# KiCad board Bestellung Rev.1.kicad_pcb (continued)
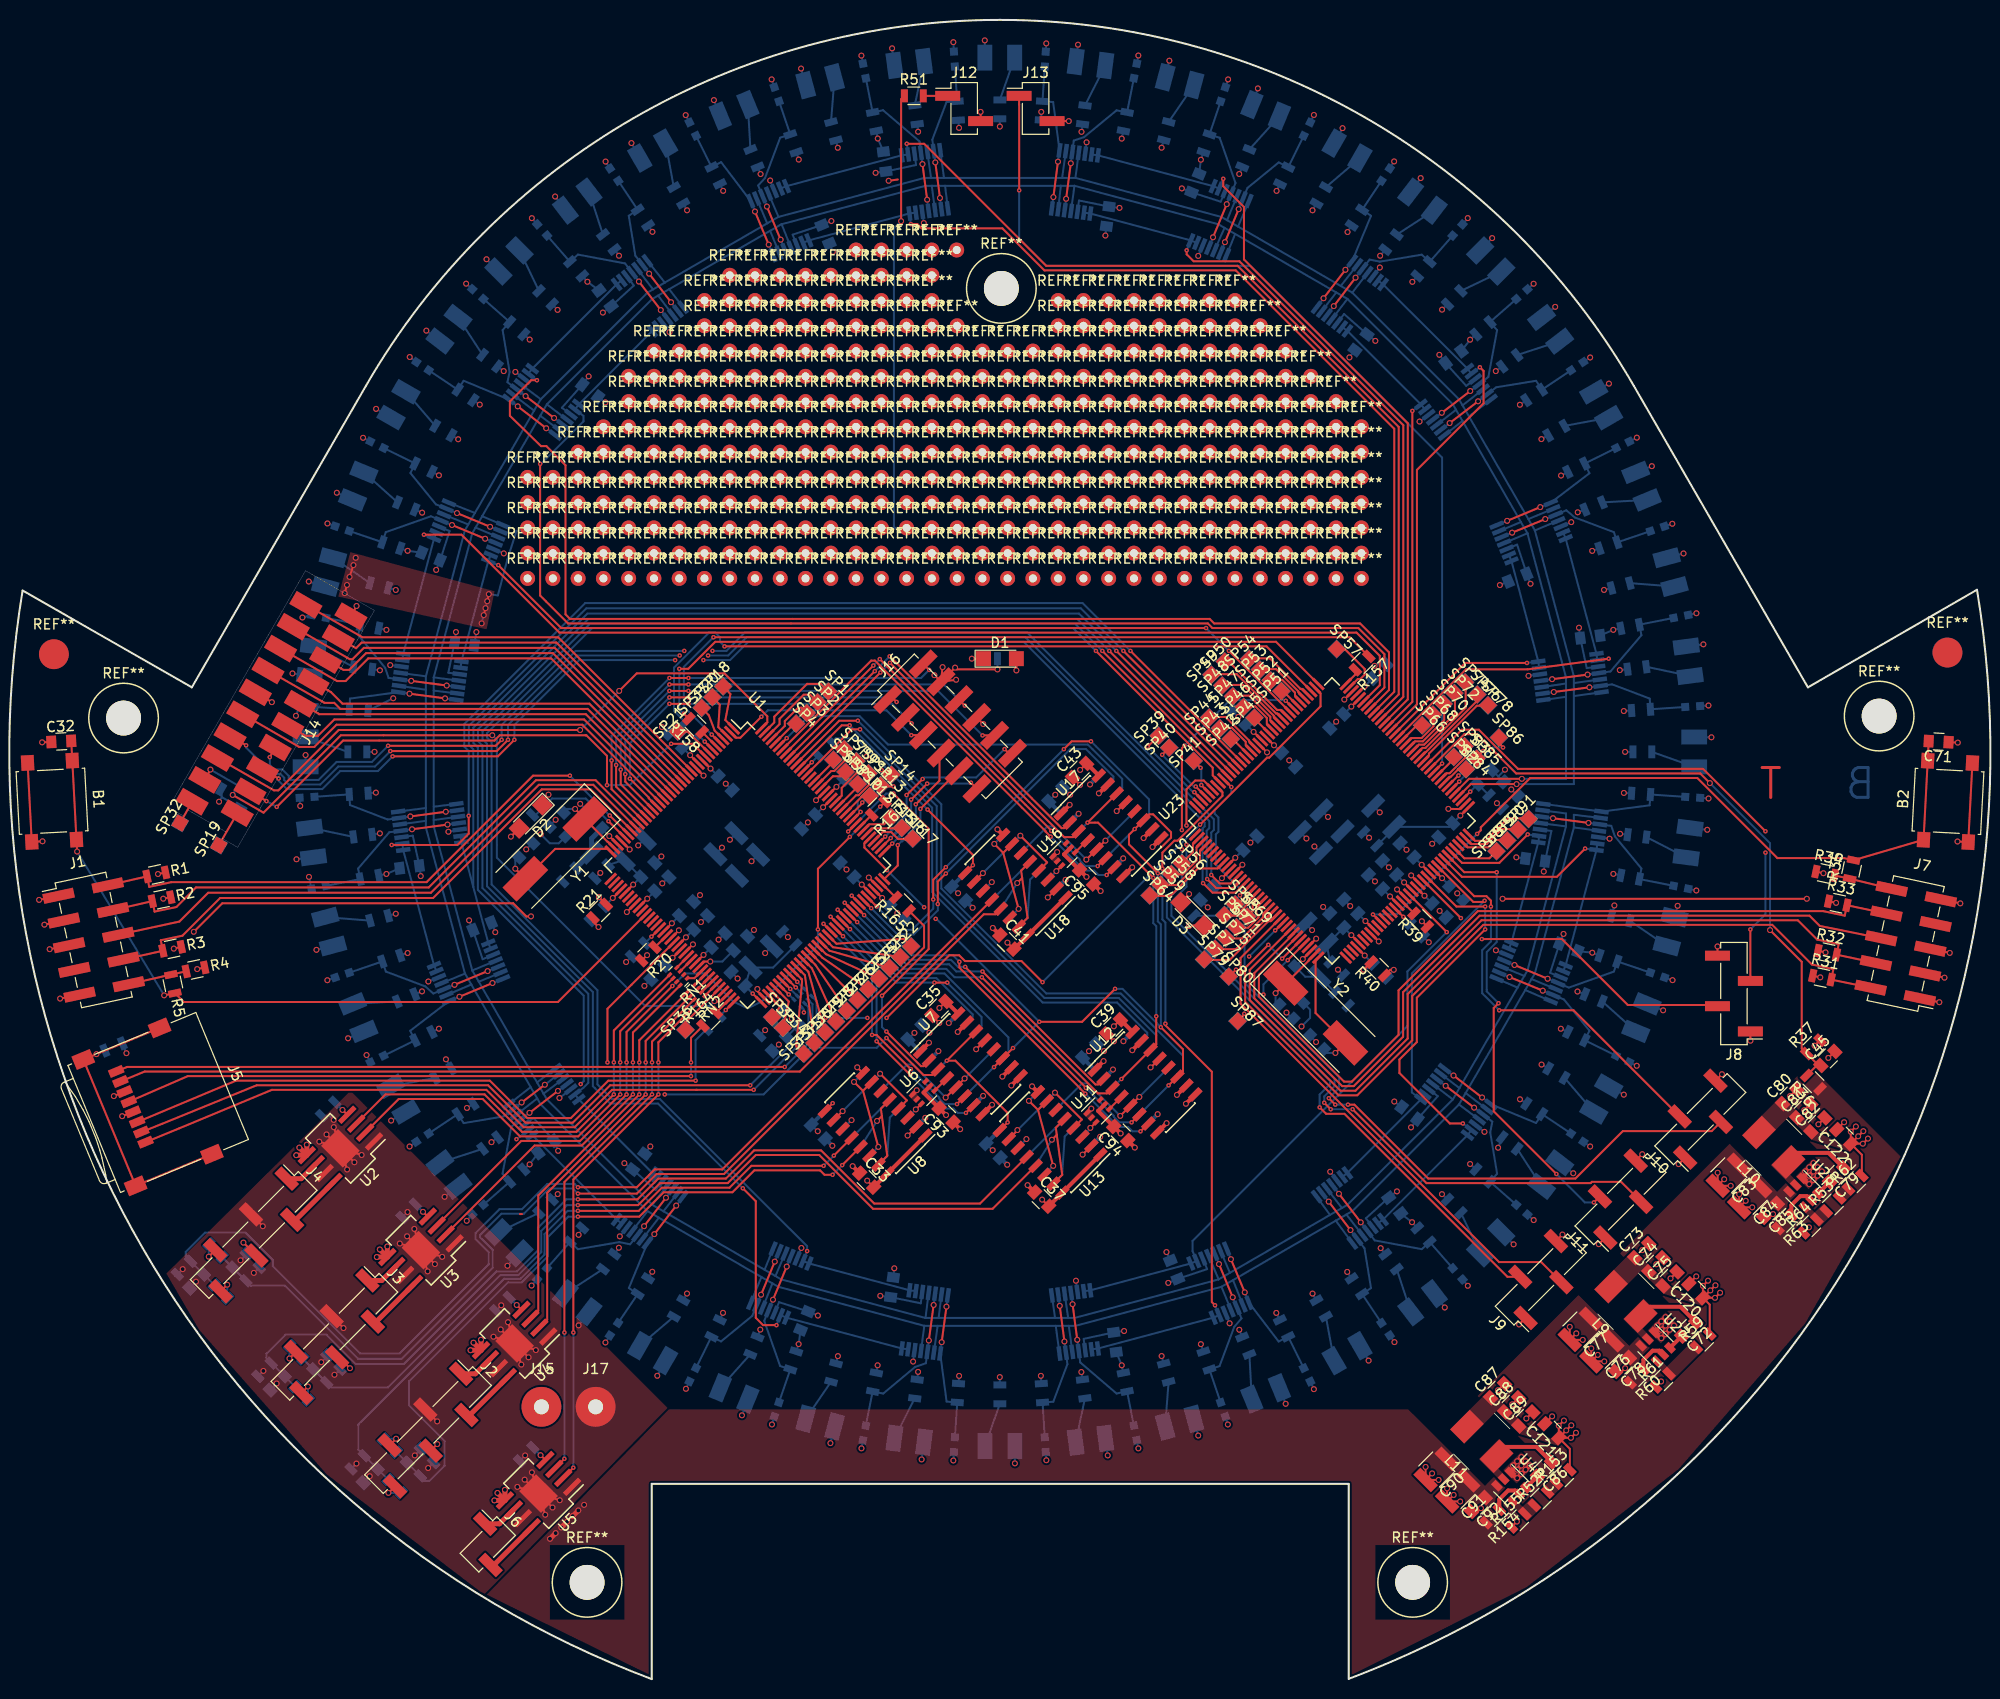
[diagram p0: board, top side]
## Placement (name value [footprint] x y rotation side) (continued)
SP64  solder_pad  [WirePad_SMD 1,27x1,27mm]  114.64 78.8 315 top
SP65  solder_pad  [WirePad_SMD 1,27x1,27mm]  123.23 77.9 315 top
SP66  solder_pad  [WirePad_SMD 1,27x1,27mm]  142.04 95.9 315 top
SP67  solder_pad  [WirePad_SMD 1,27x1,27mm]  122.15 76.82 315 top
SP68  solder_pad  [WirePad_SMD 1,27x1,27mm]  143.12 96.98 315 top
SP69  solder_pad  [WirePad_SMD 1,27x1,27mm]  124.45 76.68 315 top
SP70  solder_pad  [WirePad_SMD 1,27x1,27mm]  144.2 98.06 315 top
SP71  solder_pad  [WirePad_SMD 1,27x1,27mm]  123.37 75.6 315 top
SP72  solder_pad  [WirePad_SMD 1,27x1,27mm]  145.28 99.14 315 top
SP74  solder_pad  [WirePad_SMD 1,27x1,27mm]  146.36 100.22 315 top
SP75  solder_pad  [WirePad_SMD 1,27x1,27mm]  122.29 74.52 315 top
SP76  solder_pad  [WirePad_SMD 1,27x1,27mm]  147.58 99 315 top
SP77  solder_pad  [WirePad_SMD 1,27x1,27mm]  121.21 73.44 315 top
SP78  solder_pad  [WirePad_SMD 1,27x1,27mm]  148.66 97.92 315 top
SP79  solder_pad  [WirePad_SMD 1,27x1,27mm]  120.13 72.36 315 top
SP80  solder_pad  [WirePad_SMD 1,27x1,27mm]  122.6 70.64 315 top
SP82  solder_pad  [WirePad_SMD 1,27x1,27mm]  145.22 92.72 315 top
SP83  solder_pad  [WirePad_SMD 1,27x1,27mm]  146.3 93.8 315 top
SP84  solder_pad  [WirePad_SMD 1,27x1,27mm]  146.44 91.5 315 top
SP85  solder_pad  [WirePad_SMD 1,27x1,27mm]  147.52 92.58 315 top
SP86  solder_pad  [WirePad_SMD 1,27x1,27mm]  149.75 94.67 315 top
SP87  solder_pad  [WirePad_SMD 1,27x1,27mm]  123.49 66.16 315 top
SP88  solder_pad  [WirePad_SMD 1,27x1,27mm]  149.51 83.25 45 top
SP89  solder_pad  [WirePad_SMD 1,27x1,27mm]  150.59 84.33 45 top
SP90  solder_pad  [WirePad_SMD 1,27x1,27mm]  151.67 85.41 45 top
SP91  solder_pad  [WirePad_SMD 1,27x1,27mm]  152.75 86.49 45 top
U1  SAM3X8E  [LQFP-144_20x20mm_Pitch0.5mm]  74.21 81.83 315 top
U2  DRV8871  [HSOP_8-Pin_+_PowerPad]  33.29 53.37 225 top
U3  DRV8871  [HSOP_8-Pin_+_PowerPad]  41.38 43.13 225 top
U4  DRV8871  [HSOP_8-Pin_+_PowerPad]  50.8 33.75 225 top
U5  DRV8871  [HSOP_8-Pin_+_PowerPad]  53.2 18.65 225 top
U6  74HC2G04  [SOT-363_SC-70-6]  91.91 58.97 45 top
U7  CD74HC191  [SOIC-16_3.9x9.9mm_Pitch1.27mm]  96.62 61.86 45 top
U8  CD74HC175  [SOIC-16_3.9x9.9mm_Pitch1.27mm]  87.04 55.89 225 top
U9  CD74HC86  [SOIC-14_3.9x8.7mm_Pitch1.27mm]  86.59 56.33 225 bottom
U10  CD74HC191  [SOIC-16_3.9x9.9mm_Pitch1.27mm]  96.62 61.86 225 bottom
U11  74HC2G04  [SOT-363_SC-70-6]  109.46 57.13 45 top
U12  CD74HC191  [SOIC-16_3.9x9.9mm_Pitch1.27mm]  114.17 60.02 45 top
U13  CD74HC175  [SOIC-16_3.9x9.9mm_Pitch1.27mm]  104.63 53.97 225 top
U14  CD74HC86  [SOIC-14_3.9x8.7mm_Pitch1.27mm]  104.17 54.43 225 bottom
U15  CD74HC191  [SOIC-16_3.9x9.9mm_Pitch1.27mm]  114.17 60.02 225 bottom
U16  74HC2G04  [SOT-363_SC-70-6]  106.03 82.92 45 top
U17  CD74HC191  [SOIC-16_3.9x9.9mm_Pitch1.27mm]  110.76 85.79 45 top
U18  CD74HC175  [SOIC-16_3.9x9.9mm_Pitch1.27mm]  101.14 79.82 225 top
U19  CD74HC86  [SOIC-14_3.9x8.7mm_Pitch1.27mm]  100.7 80.26 225 bottom
U20  CD74HC191  [SOIC-16_3.9x9.9mm_Pitch1.27mm]  110.76 85.79 225 bottom
U21  TLV1704  [TSSOP-14_4.4x5mm_Pitch0.65mm#2]  64.39 139.08 307.5 bottom
U22  TLV1704  [TSSOP-14_4.4x5mm_Pitch0.65mm#3]  53.72 128.41 142.5 bottom
U23  SAM3X8E  [LQFP-144_20x20mm_Pitch0.5mm]  132.97 86.29 45 top
U24  TLV1704  [TSSOP-14_4.4x5mm_Pitch0.65mm]  92.04 150.54 277.5 bottom
U25  TLV1704  [TSSOP-14_4.4x5mm_Pitch0.65mm]  77.45 146.64 112.5 bottom
U26  TLV1704  [TSSOP-14_4.4x5mm_Pitch0.65mm]  46.17 115.35 337.5 bottom
U27  TPS563209  [SOT-23-6]  165.5 33.42 315 top
U28  TPS563209  [SOT-23-6]  180.37 48.91 315 top
U29  TLV1704  [TSSOP-14_4.4x5mm_Pitch0.65mm]  42.27 100.77 172.5 bottom
U30  TLV1704  [TSSOP-14_4.4x5mm_Pitch0.65mm]  42.26 85.68 7.5 bottom
U31  TLV1704  [TSSOP-14_4.4x5mm_Pitch0.65mm]  46.17 71.1 202.5 bottom
U32  TLV1704  [TSSOP-14_4.4x5mm_Pitch0.65mm#2]  53.72 58.04 37.5 bottom
U33  TLV1704  [TSSOP-14_4.4x5mm_Pitch0.65mm#3]  64.4 47.36 232.5 bottom
U34  TLV1704  [TSSOP-14_4.4x5mm_Pitch0.65mm]  77.46 39.81 67.5 bottom
U35  TLV1704  [TSSOP-14_4.4x5mm_Pitch0.65mm]  92.04 35.92 262.5 bottom
U36  TLV1704  [TSSOP-14_4.4x5mm_Pitch0.65mm]  107.13 35.91 97.5 bottom
U37  TLV1704  [TSSOP-14_4.4x5mm_Pitch0.65mm]  121.7 39.81 292.5 bottom
U38  TLV1704  [TSSOP-14_4.4x5mm_Pitch0.65mm#2]  134.77 47.37 127.5 bottom
U39  TLV1704  [TSSOP-14_4.4x5mm_Pitch0.65mm#3]  145.44 58.04 322.5 bottom
U40  TLV1704  [TSSOP-14_4.4x5mm_Pitch0.65mm]  152.99 71.1 157.5 bottom
U41  TLV1704  [TSSOP-14_4.4x5mm_Pitch0.65mm]  156.89 85.68 352.5 bottom
U42  TLV1704  [TSSOP-14_4.4x5mm_Pitch0.65mm]  156.89 100.77 187.5 bottom
U43  TLV1704  [TSSOP-14_4.4x5mm_Pitch0.65mm]  152.99 115.35 22.5 bottom
U44  TLV1704  [TSSOP-14_4.4x5mm_Pitch0.65mm#2]  145.44 128.42 217.5 bottom
U45  TLV1704  [TSSOP-14_4.4x5mm_Pitch0.65mm#3]  134.77 139.08 52.5 bottom
U46  TLV1704  [TSSOP-14_4.4x5mm_Pitch0.65mm]  121.7 146.63 247.5 bottom
U47  TLV1704  [TSSOP-14_4.4x5mm_Pitch0.65mm]  107.13 150.54 82.5 bottom
U48  TPS563209  [SOT-23-6]  151.01 19.34 315 top
Y1  FOXSDLF/120-20  [Crystal_SMD_HC49-SD]  54.88 83.48 225 top
Y2  FOXSDLF/120-20  [Crystal_SMD_HC49-SD]  131.32 66.97 315 top

## Footprints (pads in the part's own frame, mm; a bottom-side part is the same pattern mirrored in y, then rotated)
2178711_Wire-To-Board_20-Pin_1,27mm_SMD
  rect 1.5x3 smd: 1(-12.065,2.25) 2(-10.795,-2.25) 3(-9.525,2.25) 4(-8.255,-2.25) 5(-6.985,2.25) 6(-5.715,-2.25) 7(-4.445,2.25) 8(-3.175,-2.25) 9(-1.905,2.25) 10(-0.635,-2.25) 11(0.635,2.25) 12(1.905,-2.25) 13(3.175,2.25) 14(4.445,-2.25) 15(5.715,2.25) 16(6.985,-2.25) 17(8.255,2.25) 18(9.525,-2.25) 19(10.795,2.25) 20(12.065,-2.25)
C_0805
  rect 1x1.25 smd: 1(-1,0) 2(1,0)
C_1210
  rect 1x2.5 smd: 1(-1.5,0) 2(1.5,0)
ChipLED
  rect 0.8x0.8 smd: 1(-0.75,0) 2(0.75,0)
Crystal_SMD_HC49-SD
  rect 4.5x2 smd: 1(-4.25,0) 2(4.25,0)
HSOP_8-Pin_+_PowerPad
  rect 2.15x0.5 smd: 1(-2.875,1.905) 2(-2.875,0.635) 3(-2.875,-0.635) 4(-2.875,-1.905) 5(2.875,-1.905) 6(2.875,-0.635) 7(2.875,0.635) 8(2.875,1.905)
  rect 2.4x3.1 smd: 1(0,0)
L_0805
  rect 0.7x1.3 smd: 1(-0.95,0) 2(0.95,0)
LED_1206
  rect 1.5x1.5 smd: 1(-1.65,0) 2(1.65,0)
LED_PLCC-2
  rect 1.5x2.6 smd: 1(-1.5,0) 2(1.5,0)
LQFP-144_20x20mm_Pitch0.5mm
  rect 1.55x0.3 smd: 1(-10.7,8.75) 2(-10.7,8.25) 3(-10.7,7.75) 4(-10.7,7.25) 5(-10.7,6.75) 6(-10.7,6.25) 7(-10.7,5.75) 8(-10.7,5.25) 9(-10.7,4.75) 10(-10.7,4.25) 11(-10.7,3.75) 12(-10.7,3.25) 13(-10.7,2.75) 14(-10.7,2.25) 15(-10.7,1.75) 16(-10.7,1.25) 17(-10.7,0.75) 18(-10.7,0.25) 19(-10.7,-0.25) 20(-10.7,-0.75) 21(-10.7,-1.25) 22(-10.7,-1.75) 23(-10.7,-2.25) 24(-10.7,-2.75) 25(-10.7,-3.25) 26(-10.7,-3.75) 27(-10.7,-4.25) 28(-10.7,-4.75) 29(-10.7,-5.25) 30(-10.7,-5.75) 31(-10.7,-6.25) 32(-10.7,-6.75) 33(-10.7,-7.25) 34(-10.7,-7.75) 35(-10.7,-8.25) 36(-10.7,-8.75) 73(10.7,-8.75) 74(10.7,-8.25) 75(10.7,-7.75) 76(10.7,-7.25) 77(10.7,-6.75) 78(10.7,-6.25) 79(10.7,-5.75) 80(10.7,-5.25) 81(10.7,-4.75) 82(10.7,-4.25) 83(10.7,-3.75) 84(10.7,-3.25) 85(10.7,-2.75) 86(10.7,-2.25) 87(10.7,-1.75) 88(10.7,-1.25) 89(10.7,-0.75) 90(10.7,-0.25) 91(10.7,0.25) 92(10.7,0.75) 93(10.7,1.25) 94(10.7,1.75) 95(10.7,2.25) 96(10.7,2.75) 97(10.7,3.25) 98(10.7,3.75) 99(10.7,4.25) 100(10.7,4.75) 101(10.7,5.25) 102(10.7,5.75) 103(10.7,6.25) 104(10.7,6.75) 105(10.7,7.25) 106(10.7,7.75) 107(10.7,8.25) 108(10.7,8.75)
  rect 0.3x1.55 smd: 37(-8.75,-10.7) 38(-8.25,-10.7) 39(-7.75,-10.7) 40(-7.25,-10.7) 41(-6.75,-10.7) 42(-6.25,-10.7) 43(-5.75,-10.7) 44(-5.25,-10.7) 45(-4.75,-10.7) 46(-4.25,-10.7) 47(-3.75,-10.7) 48(-3.25,-10.7) 49(-2.75,-10.7) 50(-2.25,-10.7) 51(-1.75,-10.7) 52(-1.25,-10.7) 53(-0.75,-10.7) 54(-0.25,-10.7) 55(0.25,-10.7) 56(0.75,-10.7) 57(1.25,-10.7) 58(1.75,-10.7) 59(2.25,-10.7) 60(2.75,-10.7) 61(3.25,-10.7) 62(3.75,-10.7) 63(4.25,-10.7) 64(4.75,-10.7) 65(5.25,-10.7) 66(5.75,-10.7) 67(6.25,-10.7) 68(6.75,-10.7) 69(7.25,-10.7) 70(7.75,-10.7) 71(8.25,-10.7) 72(8.75,-10.7) 109(8.75,10.7) 110(8.25,10.7) 111(7.75,10.7) 112(7.25,10.7) 113(6.75,10.7) 114(6.25,10.7) 115(5.75,10.7) 116(5.25,10.7) 117(4.75,10.7) 118(4.25,10.7) 119(3.75,10.7) 120(3.25,10.7) 121(2.75,10.7) 122(2.25,10.7) 123(1.75,10.7) 124(1.25,10.7) 125(0.75,10.7) 126(0.25,10.7) 127(-0.25,10.7) 128(-0.75,10.7) 129(-1.25,10.7) 130(-1.75,10.7) 131(-2.25,10.7) 132(-2.75,10.7) 133(-3.25,10.7) 134(-3.75,10.7) 135(-4.25,10.7) 136(-4.75,10.7) 137(-5.25,10.7) 138(-5.75,10.7) 139(-6.25,10.7) 140(-6.75,10.7) 141(-7.25,10.7) 142(-7.75,10.7) 143(-8.25,10.7) 144(-8.75,10.7)
Measurement_Point_Round-SMD-Pad_Big
  round 3 smd: 1(0,0)
Measurement_Point_Round-TH_Small
  round 1.5 hole 0.8: 1(0,0)
microSD_Card_Receptacle_Wuerth_693072010801
  rect 0.8x1.5 smd: 1(-3.2,2.7) 2(-2.1,2.7) 3(-1,2.7) 4(0.1,2.7) 5(1.2,2.7) 6(2.3,2.7) 7(3.4,2.7) 8(4.5,2.7)
  rect 1.45x2 smd: 9(-6.875,5.3) 9(-6.875,-3) 9(6.875,5.3) 9(6.875,-3)
MountingHole_3.5mm
  round 3.5 hole 3.5 unplated: (0,0)
Pin_Header_Straight_1x02_Pitch2.54mm_SMD_Pin1Left
  rect 2.51x1 smd: 1(-1.655,1.27) 2(1.655,-1.27)
Pin_Header_Straight_1x04_Pitch2.54mm_SMD_Pin1Left
  rect 2.51x1 smd: 1(-1.655,3.81) 2(1.655,1.27) 3(-1.655,-1.27) 4(1.655,-3.81)
Pin_Header_Straight_1x06_Pitch2.54mm_SMD_Pin1Left
  rect 2.51x1 smd: 1(-1.655,6.35) 2(1.655,3.81) 3(-1.655,1.27) 4(1.655,-1.27) 5(-1.655,-3.81) 6(1.655,-6.35)
Pin_Header_Straight_2x05_Pitch2.54mm_SMD
  rect 3.15x1 smd: 1(-2.525,5.08) 2(2.525,5.08) 3(-2.525,2.54) 4(2.525,2.54) 5(-2.525,0) 6(2.525,0) 7(-2.525,-2.54) 8(2.525,-2.54) 9(-2.525,-5.08) 10(2.525,-5.08)
Pin_Header_Straight_2x06_Pitch2.54mm_SMD
  rect 3.15x1 smd: 1(-2.525,6.35) 2(2.525,6.35) 3(-2.525,3.81) 4(2.525,3.81) 5(-2.525,1.27) 6(2.525,1.27) 7(-2.525,-1.27) 8(2.525,-1.27) 9(-2.525,-3.81) 10(2.525,-3.81) 11(-2.525,-6.35) 12(2.525,-6.35)
R_0805
  rect 0.7x1.3 smd: 1(-0.95,0) 2(0.95,0)
R_Array_Concave_4x0402
  rect 0.5x0.32 smd: 1(-0.5,0.75) 2(-0.5,0.25) 3(-0.5,-0.25) 4(-0.5,-0.75) 5(0.5,-0.75) 6(0.5,-0.25) 7(0.5,0.25) 8(0.5,0.75)
SOIC-14_3.9x8.7mm_Pitch1.27mm
  rect 1.5x0.6 smd: 1(-2.7,3.81) 2(-2.7,2.54) 3(-2.7,1.27) 4(-2.7,0) 5(-2.7,-1.27) 6(-2.7,-2.54) 7(-2.7,-3.81) 8(2.7,-3.81) 9(2.7,-2.54) 10(2.7,-1.27) 11(2.7,0) 12(2.7,1.27) 13(2.7,2.54) 14(2.7,3.81)
SOIC-16_3.9x9.9mm_Pitch1.27mm
  rect 1.5x0.6 smd: 1(-2.7,4.445) 2(-2.7,3.175) 3(-2.7,1.905) 4(-2.7,0.635) 5(-2.7,-0.635) 6(-2.7,-1.905) 7(-2.7,-3.175) 8(-2.7,-4.445) 9(2.7,-4.445) 10(2.7,-3.175) 11(2.7,-1.905) 12(2.7,-0.635) 13(2.7,0.635) 14(2.7,1.905) 15(2.7,3.175) 16(2.7,4.445)
SolderWirePad_single_1-5mmDrill
  round 4 hole 1.501: 1(0,0)
SOT-23-6
  rect 1.06x0.65 smd: 1(-1.1,0.95) 2(-1.1,0) 3(-1.1,-0.95) 4(1.1,-0.95) 5(1.1,0) 6(1.1,0.95)
SOT-363_SC-70-6
  rect 0.65x0.4 smd: 1(-0.95,0.65) 2(-0.95,0) 3(-0.95,-0.65) 4(0.95,-0.65) 5(0.95,0) 6(0.95,0.65)
SRP5015TA-3R3M
  rect 2x2.8 smd: 1(-2.1,0) 2(2.1,0)
SW_SPST_B3S-1000
  rect 1.55x1.3 smd: 1(-3.975,2.25) 1(3.975,2.25) 2(-3.975,-2.25) 2(3.975,-2.25)
TSSOP-14_4.4x5mm_Pitch0.65mm
  rect 1.45x0.45 smd: 1(-2.95,1.95) 2(-2.95,1.3) 3(-2.95,0.65) 4(-2.95,0) 5(-2.95,-0.65) 6(-2.95,-1.3) 7(-2.95,-1.95) 8(2.95,-1.95) 9(2.95,-1.3) 10(2.95,-0.65) 11(2.95,0) 12(2.95,0.65) 13(2.95,1.3) 14(2.95,1.95)
TSSOP-14_4.4x5mm_Pitch0.65mm#2
  rect 1.45x0.45 smd: 1(-2.95,1.95) 2(-2.95,1.3) 3(-2.95,0.65) 4(-2.95,0) 5(-2.95,-0.65) 6(-2.95,-1.3) 7(-2.95,-1.95) 8(2.95,-1.95) 9(2.95,-1.3) 10(2.95,-0.65) 11(2.95,0) 12(2.95,0.65) 13(2.95,1.3) 14(2.95,1.95)
TSSOP-14_4.4x5mm_Pitch0.65mm#3
  rect 1.45x0.45 smd: 1(-2.95,1.95) 2(-2.95,1.3) 3(-2.95,0.65) 4(-2.95,0) 5(-2.95,-0.65) 6(-2.95,-1.3) 7(-2.95,-1.95) 8(2.95,-1.95) 9(2.95,-1.3) 10(2.95,-0.65) 11(2.95,0) 12(2.95,0.65) 13(2.95,1.3) 14(2.95,1.95)
WirePad_SMD 1,27x1,27mm
  rect 1.27x1.27 smd: 1(0,0)

## Nets
+3V3: C10.1 C14.1 C15.1 C16.1 C17.1 C18.1 C19.1 C20.1 C32.1 C33.2 C34.2 C35.2 C36.2 C37.2 C38.2 C39.2 C40.2 C41.2 C42.2 C43.2 C44.2 C48.1 C53.1 C54.1 C55.1 C56.1 C57.1 C58.1 C59.1 C71.1 C73.1 C74.1 C75.1 C93.2 C94.2 C95.2 C120.1 J1.1 J5.4 J7.1 L2.2 L3.1 L4.1 L6.1 L7.1 L8.1 L9.2 R1.1 R2.1 R3.1 R4.1 R20.2 R31.1 R32.1 R33.1 R34.1 R39.2 R59.2 REF**#300.1 REF**#301.1 REF**#302.1 REF**#303.1 REF**#304.1 REF**#305.1 REF**#306.1 REF**#307.1 REF**#308.1 REF**#309.1 REF**#310.1 REF**#311.1 REF**#312.1 REF**#313.1 REF**#314.1 REF**#315.1 REF**#316.1 REF**#317.1 REF**#318.1 REF**#319.1 REF**#320.1 REF**#321.1 REF**#322.1 REF**#323.1 REF**#324.1 REF**#325.1 REF**#326.1 REF**#327.1 REF**#328.1 REF**#329.1 REF**#330.1 REF**#331.1 REF**#332.1 REF**#333.1 U1.11 U1.52 U1.57 U1.62 U1.105 U1.125 U6.5 U7.16 U8.1 U8.16 U9.14 U10.16 U11.5 U12.16 U13.1 U13.16 U14.14 U15.16 U16.5 U17.16 U18.1 U18.16 U19.14 U20.16 U23.11 U23.52 U23.57 U23.62 U23.105 U23.125
+5V: C80.1 C81.1 C82.1 C96.2 C97.2 C98.2 C99.2 C100.2 C101.2 C102.2 C103.2 C104.2 C105.2 C106.2 C107.2 C108.2 C109.2 C110.2 C111.2 C112.2 C113.2 C114.2 C115.2 C116.2 C117.2 C118.2 C119.2 C122.1 L10.2 Q1.1 Q2.1 Q3.1 Q4.1 Q5.1 Q6.1 Q7.1 Q8.1 Q9.1 Q10.1 Q11.1 Q12.1 Q13.1 Q14.1 Q15.1 Q16.1 Q17.1 Q18.1 Q19.1 Q20.1 Q21.1 Q22.1 Q23.1 Q24.1 Q25.1 Q26.1 Q27.1 Q28.1 Q29.1 Q30.1 Q31.1 Q32.1 Q33.1 Q34.1 Q35.1 Q36.1 Q37.1 Q38.1 Q39.1 Q40.1 Q41.1 Q42.1 Q43.1 Q44.1 Q45.1 Q46.1 Q47.1 Q48.1 R43.1 R44.1 R49.1 R50.1 R62.2 R69.1 R70.1 R75.1 R76.1 R81.1 R82.1 R87.1 R88.1 R93.1 R94.1 R99.1 R100.1 R105.1 R106.1 R111.1 R112.1 R117.1 R118.1 R123.1 R124.1 R129.1 R130.1 R131.1 R132.1 R133.1 R134.1 R135.1 R136.1 R137.1 R138.1 R139.1 R140.1 R141.1 R142.1 R143.1 R144.1 R145.1 R146.1 R147.1 R148.1 R149.1 R150.1 R151.1 R152.1 U21.3 U22.3 U24.3 U25.3 U26.3 U29.3 U30.3 U31.3 U32.3 U33.3 U34.3 U35.3 U36.3 U37.3 U38.3 U39.3 U40.3 U41.3 U42.3 U43.3 U44.3 U45.3 U46.3 U47.3
+5VD: C87.1 C88.1 C89.1 C121.1 J2.4 J3.4 J4.4 J8.1 J9.1 J10.1 J11.1 J14.1 J16.4 L11.2 R25.1 R26.1 R29.2 R51.1 R153.2 REF**#334.1 REF**#335.1 REF**#336.1 REF**#337.1 REF**#338.1 REF**#339.1 REF**#340.1 REF**#341.1 REF**#342.1 REF**#343.1 REF**#344.1 REF**#345.1 REF**#346.1 REF**#347.1 REF**#348.1 REF**#349.1 REF**#350.1 REF**#351.1 REF**#352.1 REF**#353.1 REF**#354.1 REF**#355.1 REF**#356.1 REF**#357.1 REF**#358.1 REF**#359.1 REF**#360.1 REF**#361.1 REF**#362.1 REF**#363.1 REF**#364.1 REF**#365.1 REF**#366.1 REF**#367.1
+12V: C76.1 C77.1 C78.1 C83.1 C84.1 C85.1 C90.1 C91.1 C92.1 J15.1 R36.1 R60.2 R63.2 R154.2 U2.5 U3.5 U4.5 U5.5 U27.3 U28.3 U48.3
/Motor Controller/VDDANA: C23.1 C24.1 L3.2 U1.73
/Motor Controller/VDDOUT: C25.1 C26.1 C27.1 C28.1 C29.1 C30.1 C31.1 L1.2 U1.10 U1.45 U1.56 U1.61 U1.104 U1.124
/Motor Controller/VDDUTMI: C21.1 C22.1 L4.2 U1.41
/Sensor Controller/VDDANA: C62.1 C63.1 L7.2 U23.73
/Sensor Controller/VDDOUT: C64.1 C65.1 C66.1 C67.1 C68.1 C69.1 C70.1 L5.2 U23.10 U23.45 U23.56 U23.61 U23.104 U23.124
/Sensor Controller/VDDUTMI: C60.1 C61.1 L8.2 U23.41
GND: B1.2 B2.2 C1.2 C2.2 C3.2 C4.2 C5.2 C6.2 C7.2 C8.2 C9.1 C10.2 C11.2 C12.1 C13.2 C14.2 C15.2 C16.2 C17.2 C18.2 C19.2 C20.2 C21.2 C22.2 C23.2 C24.2 C25.2 C26.2 C27.2 C28.2 C29.2 C30.2 C31.2 C33.1 C34.1 C35.1 C36.1 C37.1 C38.1 C39.1 C40.1 C41.1 C42.1 C43.1 C44.1 C45.2 C46.2 C47.2 C48.2 C49.2 C50.1 C51.1 C52.2 C53.2 C54.2 C55.2 C56.2 C57.2 C58.2 C59.2 C60.2 C61.2 C62.2 C63.2 C64.2 C65.2 C66.2 C67.2 C68.2 C69.2 C70.2 C73.2 C74.2 C75.2 C76.2 C77.2 C78.2 C80.2 C81.2 C82.2 C83.2 C84.2 C85.2 C87.2 C88.2 C89.2 C90.2 C91.2 C92.2 C93.1 C94.1 C95.1 C96.1 C97.1 C98.1 C99.1 C100.1 C101.1 C102.1 C103.1 C104.1 C105.1 C106.1 C107.1 C108.1 C109.1 C110.1 C111.1 C112.1 C113.1 C114.1 C115.1 C116.1 C117.1 C118.1 C119.1 C120.2 C121.2 C122.2 D1.1 D2.1 D3.1 D4.1 D5.1 D6.1 D7.1 D8.1 D9.1 D18.1 D19.1 D20.1 D21.1 D22.1 D23.1 D24.1 D25.1 D26.1 D27.1 D28.1 D29.1 D30.1 D31.1 D32.1 D33.1 D34.1 D35.1 D36.1 D37.1 D38.1 D39.1 D40.1 D41.1 D42.1 D43.1 D44.1 D45.1 D46.1 D47.1 D48.1 D49.1 D50.1 D51.1 D52.1 D53.1 D54.1 D55.1 D56.1 D57.1 D58.1 D59.1 J1.3 J1.5 J1.9 J2.3 J3.3 J4.3 J5.6 J7.3 J7.5 J7.9 J8.4 J9.4 J10.4 J11.4 J12.2 J13.2 J14.10 J16.8 J17.1 R6.2 R8.2 R10.2 R12.2 R14.2 R16.2 R18.2 R19.2 R21.2 R22.2 R23.2 R24.2 R28.2 R37.2 R38.2 R40.2 R45.2 R46.2 R47.2 R48.2 R61.1 R64.1 R65.2 R66.2 R67.2 R68.2 R71.2 R72.2 R73.2 R74.2 R77.2 R78.2 R79.2 R80.2 R83.2 R84.2 R85.2 R86.2 R89.2 R90.2 R91.2 R92.2 R95.2 R96.2 R97.2 R98.2 R101.2 R102.2 R103.2 R104.2 R107.2 R108.2 R109.2 R110.2 R113.2 R114.2 R115.2 R116.2 R119.2 R120.2 R121.2 R122.2 R125.2 R126.2 R127.2 R128.2 R155.1 REF**#266.1 REF**#267.1 REF**#268.1 REF**#269.1 REF**#270.1 REF**#271.1 REF**#272.1 REF**#273.1 REF**#274.1 REF**#275.1 REF**#276.1 REF**#277.1 REF**#278.1 REF**#279.1 REF**#280.1 REF**#281.1 REF**#282.1 REF**#283.1 REF**#284.1 REF**#285.1 REF**#286.1 REF**#287.1 REF**#288.1 REF**#289.1 REF**#290.1 REF**#291.1 REF**#292.1 REF**#293.1 REF**#294.1 REF**#295.1 REF**#296.1 REF**#297.1 REF**#298.1 REF**#299.1 U1.12 U1.33 U1.44 U1.54 U1.58 U1.74 U1.106 U1.126 U2.1 U2.7 U3.1 U3.7 U4.1 U4.7 U5.1 U5.7 U6.1 U6.2 U7.1 U7.8 U7.9 U7.10 U7.15 U8.8 U9.7 U10.1 U10.8 U10.9 U10.10 U10.15 U11.1 U11.2 U12.1 U12.8 U12.9 U12.10 U12.15 U13.8 U14.7 U15.1 U15.8 U15.9 U15.10 U15.15 U16.1 U16.2 U17.1 U17.8 U17.9 U17.10 U17.15 U18.8 U19.7 U20.1 U20.8 U20.9 U20.10 U20.15 U21.12 U22.12 U23.12 U23.33 U23.44 U23.54 U23.58 U23.74 U23.106 U23.126 U24.12 U25.12 U26.12 U27.1 U28.1 U29.12 U30.12 U31.12 U32.12 U33.12 U34.12 U35.12 U36.12 U37.12 U38.12 U39.12 U40.12 U41.12 U42.12 U43.12 U44.12 U45.12 U46.12 U47.12 U48.1
/BAT_LED: J14.8 U1.19
/Button_back: J14.7 U1.18
/Button_bot: J14.6 U1.17
/Button_left: J14.3 U1.14
/Button_mid: J14.4 U1.15
/Button_right: J14.5 U1.16
/Button_top: J14.2 U1.13
/CMPS03_PWM: J14.16 U1.144
/I²C_clock: J14.18 R26.2 U1.70
/I²C_data: J14.17 R25.2 U1.9
/M_LED1: J14.9 U1.20
/M_LED2: J14.11 U1.21
/M_LED3: J14.12 U1.22
/Motor Controller/ENC1A: U1.55 U7.3
/Motor Controller/ENC1B: U1.117 U7.2
/Motor Controller/ENC1C: U1.93 U7.6
/Motor Controller/ENC1D: U1.94 U7.7
/Motor Controller/ENC1E: U1.95 U10.3
/Motor Controller/ENC1F: U1.96 U10.2
/Motor Controller/ENC1G: U1.97 U10.6
/Motor Controller/ENC2A: U1.98 U12.3
/Motor Controller/ENC2B: U1.99 U12.2
/Motor Controller/ENC2C: U1.100 U12.6
/Motor Controller/ENC2D: U1.101 U12.7
/Motor Controller/ENC2E: U1.131 U15.3
/Motor Controller/ENC2F: U1.133 U15.2
/Motor Controller/ENC2G: U1.134 U15.6
/Motor Controller/ENC3A: U1.135 U17.3
/Motor Controller/ENC3B: U1.136 U17.2
/Motor Controller/ENC3C: U1.137 U17.6
/Motor Controller/ENC3D: U1.138 U17.7
/Motor Controller/ENC3E: U1.139 U20.3
/Motor Controller/ENC3F: U1.102 U20.2
/Motor Controller/ENC3G: U1.103 U20.6
/Motor Controller/ENC_CLK: R54.2 U7.14 U8.9 U10.14 U12.14 U13.9 U15.14 U17.14 U18.9 U20.14
/Motor Controller/ENC_LOAD: U1.113 U7.11 U10.11 U12.11 U15.11 U17.11 U20.11
/Motor Controller/Encoder 1/0: U8.2 U9.12
/Motor Controller/Encoder 1/1: U8.7 U9.1 U9.9
/Motor Controller/Encoder 1/2: U8.4 U8.10 U9.2 U9.13
/Motor Controller/Encoder 1/3: U8.5 U8.15 U9.10
/Motor Controller/Encoder 1/4: U9.4 U9.11
/Motor Controller/Encoder 1/5: U9.5 U9.8
/Motor Controller/Encoder 1/Direction: U7.5 U9.3 U10.5
/Motor Controller/Encoder 1/ENC1_H: U10.7
/Motor Controller/Encoder 1/ENC1_out_A: C2.1 R6.1 R7.2 U8.13
/Motor Controller/Encoder 1/ENC1_out_B: C1.1 R8.1 R9.2 U8.12
/Motor Controller/Encoder 2/0: U13.2 U14.12
/Motor Controller/Encoder 2/1: U13.7 U14.1 U14.9
/Motor Controller/Encoder 2/2: U13.4 U13.10 U14.2 U14.13
/Motor Controller/Encoder 2/3: U13.5 U13.15 U14.10
/Motor Controller/Encoder 2/4: U14.4 U14.11
/Motor Controller/Encoder 2/5: U14.5 U14.8
/Motor Controller/Encoder 2/Direction: U12.5 U14.3 U15.5
/Motor Controller/Encoder 2/ENC2_H: U15.7
/Motor Controller/Encoder 2/ENC2_out_A: C4.1 R10.1 R11.2 U13.13
/Motor Controller/Encoder 2/ENC2_out_B: C3.1 R12.1 R13.2 U13.12
/Motor Controller/Encoder 3/0: U18.2 U19.12
/Motor Controller/Encoder 3/1: U18.7 U19.1 U19.9
/Motor Controller/Encoder 3/2: U18.4 U18.10 U19.2 U19.13
/Motor Controller/Encoder 3/3: U18.5 U18.15 U19.10
/Motor Controller/Encoder 3/4: U19.4 U19.11
/Motor Controller/Encoder 3/5: U19.5 U19.8
/Motor Controller/Encoder 3/Direction: U17.5 U19.3 U20.5
/Motor Controller/Encoder 3/ENC3_H: U20.7
/Motor Controller/Encoder 3/ENC3_out_A: C8.1 R14.1 R15.2 U18.13
/Motor Controller/Encoder 3/ENC3_out_B: C7.1 R16.1 R17.2 U18.12
/Motor Controller/JTAG_Test_Clock: J1.4 R2.2 U1.28
/Motor Controller/JTAG_Test_Data_In: J1.8 R3.2 U1.30
/Motor Controller/JTAG_Test_Data_Out: J1.6 U1.29
/Motor Controller/JTAG_Test_Mode_Select: J1.2 R1.2 U1.31
/Motor Controller/LED1: R30.2 U1.32
/Motor Controller/PWM0H: RN1.3 U1.60
/Motor Controller/PWM0L: RN1.4 U1.59
/Motor Controller/PWM1H: RN1.1 U1.63
/Motor Controller/PWM1L: R167.2 U1.116
/Motor Controller/PWM2H: RN2.3 U1.65
/Motor Controller/PWM2L: RN2.4 U1.64
/Motor Controller/PWM3H: RN2.1 U1.67
/Motor Controller/PWM3L: RN2.2 U1.66
/Motor Controller/RESET: B1.1 C32.2 R5.2 U1.47
/RPi1: J16.1 U1.24
/RPi2: J16.2 U1.27
/RPi3: J16.5 U1.2
/RPi4: J16.6 U1.26
/RPi5: J16.10 U1.25
/RPi6: J16.3 U1.23
/S_LED1: J14.13 U23.13
/S_LED2: J14.14 U23.14
/S_LED3: J14.15 U23.15
/Sensor Controller/1BLACK: U23.99 U24.1 U24.2 U25.13 U25.14
/Sensor Controller/1WHITE: U23.100 U24.13 U24.14 U25.1 U25.2
/Sensor Controller/2BLACK: U21.1 U21.2 U22.13 U22.14 U23.101
/Sensor Controller/2WHITE: U21.13 U21.14 U22.1 U22.2 U23.102
/Sensor Controller/3BLACK: U23.103 U26.1 U26.2 U29.13 U29.14
/Sensor Controller/3WHITE: U23.117 U26.13 U26.14 U29.1 U29.2
/Sensor Controller/4BLACK: U23.131 U30.1 U30.2 U31.13 U31.14
/Sensor Controller/4WHITE: U23.132 U30.13 U30.14 U31.1 U31.2
/Sensor Controller/5BLACK: U23.133 U32.1 U32.2 U33.13 U33.14
/Sensor Controller/5WHITE: U23.134 U32.13 U32.14 U33.1 U33.2
/Sensor Controller/6BLACK: U23.135 U34.1 U34.2 U35.13 U35.14
/Sensor Controller/6WHITE: U23.137 U34.13 U34.14 U35.1 U35.2
/Sensor Controller/7BLACK: U23.138 U36.1 U36.2 U37.13 U37.14
/Sensor Controller/7WHITE: U23.55 U36.13 U36.14 U37.1 U37.2
/Sensor Controller/8BLACK: U23.60 U38.1 U38.2 U39.13 U39.14
/Sensor Controller/8WHITE: U23.63 U38.13 U38.14 U39.1 U39.2
/Sensor Controller/9BLACK: U23.65 U40.1 U40.2 U41.13 U41.14
/Sensor Controller/9WHITE: U23.67 U40.13 U40.14 U41.1 U41.2
/Sensor Controller/10BLACK: U23.93 U42.1 U42.2 U43.13 U43.14
/Sensor Controller/10WHITE: U23.94 U42.13 U42.14 U43.1 U43.2
/Sensor Controller/11BLACK: U23.95 U44.1 U44.2 U45.13 U45.14
/Sensor Controller/11WHITE: U23.96 U44.13 U44.14 U45.1 U45.2
/Sensor Controller/12BLACK: U23.97 U46.1 U46.2 U47.13 U47.14
/Sensor Controller/12WHITE: U23.98 U46.13 U46.14 U47.1 U47.2
/Sensor Controller/Echo1: J8.3 U23.85
/Sensor Controller/Echo2: J10.3 U23.136
/Sensor Controller/Echo3: J11.3 U23.139
/Sensor Controller/Echo4: J9.3 U23.25
/Sensor Controller/JTAG_Test_Clock: J7.4 R32.2 U23.28
/Sensor Controller/JTAG_Test_Data_In: J7.8 R33.2 U23.30
/Sensor Controller/JTAG_Test_Data_Out: J7.6 U23.29
/Sensor Controller/JTAG_Test_Mode_Select: J7.2 R31.2 U23.31
/Sensor Controller/LBR: J13.1 U23.83
/Sensor Controller/LED2: R42.2 U23.16
/Sensor Controller/Linesensor 1/Photo1: Q1.2 R45.1 U24.6 U24.9
/Sensor Controller/Linesensor 1/Photo2: Q2.2 R46.1 U24.4 U24.11
/Sensor Controller/Linesensor 1/Photo3: Q3.2 R47.1 U25.5 U25.10
/Sensor Controller/Linesensor 1/Photo4: Q4.2 R48.1 U25.7 U25.8
/Sensor Controller/Linesensor 2/Photo1: Q5.2 R65.1 U21.6 U21.9
/Sensor Controller/Linesensor 2/Photo2: Q6.2 R66.1 U21.4 U21.11
/Sensor Controller/Linesensor 2/Photo3: Q7.2 R67.1 U22.5 U22.10
/Sensor Controller/Linesensor 2/Photo4: Q8.2 R68.1 U22.7 U22.8
/Sensor Controller/Linesensor 3/Photo1: Q9.2 R71.1 U26.6 U26.9
/Sensor Controller/Linesensor 3/Photo2: Q10.2 R72.1 U26.4 U26.11
/Sensor Controller/Linesensor 3/Photo3: Q11.2 R73.1 U29.5 U29.10
/Sensor Controller/Linesensor 3/Photo4: Q12.2 R74.1 U29.7 U29.8
/Sensor Controller/Linesensor 4/Photo1: Q13.2 R77.1 U30.6 U30.9
/Sensor Controller/Linesensor 4/Photo2: Q14.2 R78.1 U30.4 U30.11
/Sensor Controller/Linesensor 4/Photo3: Q15.2 R79.1 U31.5 U31.10
/Sensor Controller/Linesensor 4/Photo4: Q16.2 R80.1 U31.7 U31.8
/Sensor Controller/Linesensor 5/Photo1: Q17.2 R83.1 U32.6 U32.9
/Sensor Controller/Linesensor 5/Photo2: Q18.2 R84.1 U32.4 U32.11
/Sensor Controller/Linesensor 5/Photo3: Q19.2 R85.1 U33.5 U33.10
/Sensor Controller/Linesensor 5/Photo4: Q20.2 R86.1 U33.7 U33.8
/Sensor Controller/Linesensor 6/Photo1: Q21.2 R89.1 U34.6 U34.9
/Sensor Controller/Linesensor 6/Photo2: Q22.2 R90.1 U34.4 U34.11
/Sensor Controller/Linesensor 6/Photo3: Q23.2 R91.1 U35.5 U35.10
/Sensor Controller/Linesensor 6/Photo4: Q24.2 R92.1 U35.7 U35.8
/Sensor Controller/Linesensor 7/Photo1: Q25.2 R95.1 U36.6 U36.9
/Sensor Controller/Linesensor 7/Photo2: Q26.2 R96.1 U36.4 U36.11
/Sensor Controller/Linesensor 7/Photo3: Q27.2 R97.1 U37.5 U37.10
/Sensor Controller/Linesensor 7/Photo4: Q28.2 R98.1 U37.7 U37.8
/Sensor Controller/Linesensor 8/Photo1: Q29.2 R101.1 U38.6 U38.9
/Sensor Controller/Linesensor 8/Photo2: Q30.2 R102.1 U38.4 U38.11
/Sensor Controller/Linesensor 8/Photo3: Q31.2 R103.1 U39.5 U39.10
/Sensor Controller/Linesensor 8/Photo4: Q32.2 R104.1 U39.7 U39.8
/Sensor Controller/Linesensor 9/Photo1: Q33.2 R107.1 U40.6 U40.9
/Sensor Controller/Linesensor 9/Photo2: Q34.2 R108.1 U40.4 U40.11
/Sensor Controller/Linesensor 9/Photo3: Q35.2 R109.1 U41.5 U41.10
/Sensor Controller/Linesensor 9/Photo4: Q36.2 R110.1 U41.7 U41.8
/Sensor Controller/Linesensor 10/Photo1: Q37.2 R113.1 U42.6 U42.9
/Sensor Controller/Linesensor 10/Photo2: Q38.2 R114.1 U42.4 U42.11
/Sensor Controller/Linesensor 10/Photo3: Q39.2 R115.1 U43.5 U43.10
/Sensor Controller/Linesensor 10/Photo4: Q40.2 R116.1 U43.7 U43.8
/Sensor Controller/Linesensor 11/Photo1: Q41.2 R119.1 U44.6 U44.9
/Sensor Controller/Linesensor 11/Photo2: Q42.2 R120.1 U44.4 U44.11
/Sensor Controller/Linesensor 11/Photo3: Q43.2 R121.1 U45.5 U45.10
/Sensor Controller/Linesensor 11/Photo4: Q44.2 R122.1 U45.7 U45.8
/Sensor Controller/Linesensor 12/Photo1: Q45.2 R125.1 U46.6 U46.9
/Sensor Controller/Linesensor 12/Photo2: Q46.2 R126.1 U46.4 U46.11
/Sensor Controller/Linesensor 12/Photo3: Q47.2 R127.1 U47.5 U47.10
/Sensor Controller/Linesensor 12/Photo4: Q48.2 R128.1 U47.7 U47.8
/Sensor Controller/RESET: B2.1 C71.2 R35.2 U23.47
/Sensor Controller/Trig1: J8.2 U23.59
/Sensor Controller/Trig2: J10.2 U23.64
/Sensor Controller/Trig3: J11.2 U23.66
/Sensor Controller/Trig4: J9.2 U23.116
/Sensor Controller/VREF_black: U21.5 U21.7 U22.9 U22.11 U23.76 U24.5 U24.7 U25.9 U25.11 U26.5 U26.7 U29.9 U29.11 U30.5 U30.7 U31.9 U31.11 U32.5 U32.7 U33.9 U33.11 U34.5 U34.7 U35.9 U35.11 U36.5 U36.7 U37.9 U37.11 U38.5 U38.7 U39.9 U39.11 U40.5 U40.7 U41.9 U41.11 U42.5 U42.7 U43.9 U43.11 U44.5 U44.7 U45.9 U45.11 U46.5 U46.7 U47.9 U47.11
/Sensor Controller/VREF_white: U21.8 U21.10 U22.4 U22.6 U23.77 U24.8 U24.10 U25.4 U25.6 U26.8 U26.10 U29.4 U29.6 U30.8 U30.10 U31.4 U31.6 U32.8 U32.10 U33.4 U33.6 U34.8 U34.10 U35.4 U35.6 U36.8 U36.10 U37.4 U37.6 U38.8 U38.10 U39.4 U39.6 U40.8 U40.10 U41.4 U41.6 U42.8 U42.10 U43.4 U43.6 U44.8 U44.10 U45.4 U45.6 U46.8 U46.10 U47.4 U47.6
/SPI0_CLK: J16.11 RN4.6
/SPI0_MISO: J16.9 RN4.8
/SPI0_MOSI: J16.7 RN4.7
/SPI0_SS0: J16.12 RN4.5
/SPI1_CLK: RN3.8 U23.110
/SPI1_MISO: R157.2 U23.108
/SPI1_MOSI: R158.2 U23.109
/SPI1_SS0: R159.2 U23.111
Net-(C5-Pad1): C5.1 C6.1 L1.1 U1.34
Net-(C9-Pad2): C9.2 U1.35 Y1.1
Net-(C11-Pad1): C11.1 L2.1 U1.75
Net-(C12-Pad2): C12.2 U1.36 Y1.2
Net-(C13-Pad1): C13.1 R21.1 U1.40
Net-(C45-Pad1): C45.1 R36.2 R37.1 U23.84
Net-(C46-Pad1): C46.1 C47.1 L5.1 U23.34
Net-(C49-Pad1): C49.1 L6.2 U23.75
Net-(C50-Pad2): C50.2 U23.35 Y2.1
Net-(C51-Pad2): C51.2 U23.36 Y2.2
Net-(C52-Pad1): C52.1 R40.1 U23.40
Net-(C72-Pad1): C72.1 L9.1 U27.2
Net-(C72-Pad2): C72.2 U27.6
Net-(C79-Pad1): C79.1 L10.1 U28.2
Net-(C79-Pad2): C79.2 U28.6
Net-(C86-Pad1): C86.1 L11.1 U48.2
Net-(C86-Pad2): C86.2 U48.6
Net-(D1-Pad2): D1.2 R29.1
Net-(D2-Pad2): D2.2 R30.1
Net-(D3-Pad2): D3.2 R42.1
Net-(D4-Pad2): D4.2 R43.2
Net-(D5-Pad2): D5.2 R129.2
Net-(D6-Pad2): D6.2 R44.2
Net-(D7-Pad2): D7.2 R130.2
Net-(D8-Pad2): D8.2 R49.2
Net-(D9-Pad2): D9.2 R131.2
Net-(D18-Pad2): D18.2 R50.2
Net-(D19-Pad2): D19.2 R132.2
Net-(D20-Pad2): D20.2 R69.2
Net-(D21-Pad2): D21.2 R133.2
Net-(D22-Pad2): D22.2 R70.2
Net-(D23-Pad2): D23.2 R134.2
Net-(D24-Pad2): D24.2 R75.2
Net-(D25-Pad2): D25.2 R135.2
Net-(D26-Pad2): D26.2 R76.2
Net-(D27-Pad2): D27.2 R136.2
Net-(D28-Pad2): D28.2 R81.2
Net-(D29-Pad2): D29.2 R137.2
Net-(D30-Pad2): D30.2 R82.2
Net-(D31-Pad2): D31.2 R138.2
Net-(D32-Pad2): D32.2 R87.2
Net-(D33-Pad2): D33.2 R139.2
Net-(D34-Pad2): D34.2 R88.2
Net-(D35-Pad2): D35.2 R140.2
Net-(D36-Pad2): D36.2 R93.2
Net-(D37-Pad2): D37.2 R141.2
Net-(D38-Pad2): D38.2 R94.2
Net-(D39-Pad2): D39.2 R142.2
Net-(D40-Pad2): D40.2 R99.2
Net-(D41-Pad2): D41.2 R143.2
Net-(D42-Pad2): D42.2 R100.2
Net-(D43-Pad2): D43.2 R144.2
Net-(D44-Pad2): D44.2 R105.2
Net-(D45-Pad2): D45.2 R145.2
Net-(D46-Pad2): D46.2 R106.2
Net-(D47-Pad2): D47.2 R146.2
Net-(D48-Pad2): D48.2 R111.2
Net-(D49-Pad2): D49.2 R147.2
Net-(D50-Pad2): D50.2 R112.2
Net-(D51-Pad2): D51.2 R148.2
Net-(D52-Pad2): D52.2 R117.2
Net-(D53-Pad2): D53.2 R149.2
Net-(D54-Pad2): D54.2 R118.2
Net-(D55-Pad2): D55.2 R150.2
Net-(D56-Pad2): D56.2 R123.2
Net-(D57-Pad2): D57.2 R151.2
Net-(D58-Pad2): D58.2 R124.2
Net-(D59-Pad2): D59.2 R152.2
Net-(J1-Pad7): J1.7
Net-(J1-Pad10): J1.10 R4.2 R5.1
Net-(J2-Pad1): J2.1 U4.6
Net-(J2-Pad2): J2.2 U4.8
Net-(J2-Pad5): J2.5 R7.1
Net-(J2-Pad6): J2.6 R9.1
Net-(J3-Pad1): J3.1 U3.6
Net-(J3-Pad2): J3.2 U3.8
Net-(J3-Pad5): J3.5 R11.1
Net-(J3-Pad6): J3.6 R13.1
Net-(J4-Pad1): J4.1 U2.6
Net-(J4-Pad2): J4.2 U2.8
Net-(J4-Pad5): J4.5 R15.1
Net-(J4-Pad6): J4.6 R17.1
Net-(J5-Pad1): J5.1 RN3.6
Net-(J5-Pad2): J5.2 RN3.7
Net-(J5-Pad3): J5.3 R163.1
Net-(J5-Pad5): J5.5 R164.1
Net-(J5-Pad7): J5.7 R165.1
Net-(J5-Pad8): J5.8 RN3.5
Net-(J5-Pad9): J5.9 R19.1
Net-(J6-Pad1): J6.1 U5.6
Net-(J6-Pad2): J6.2 U5.8
Net-(J7-Pad7): J7.7
Net-(J7-Pad10): J7.10 R34.2 R35.1